# Altium PCB Quark - 副本.PcbDoc (continued)
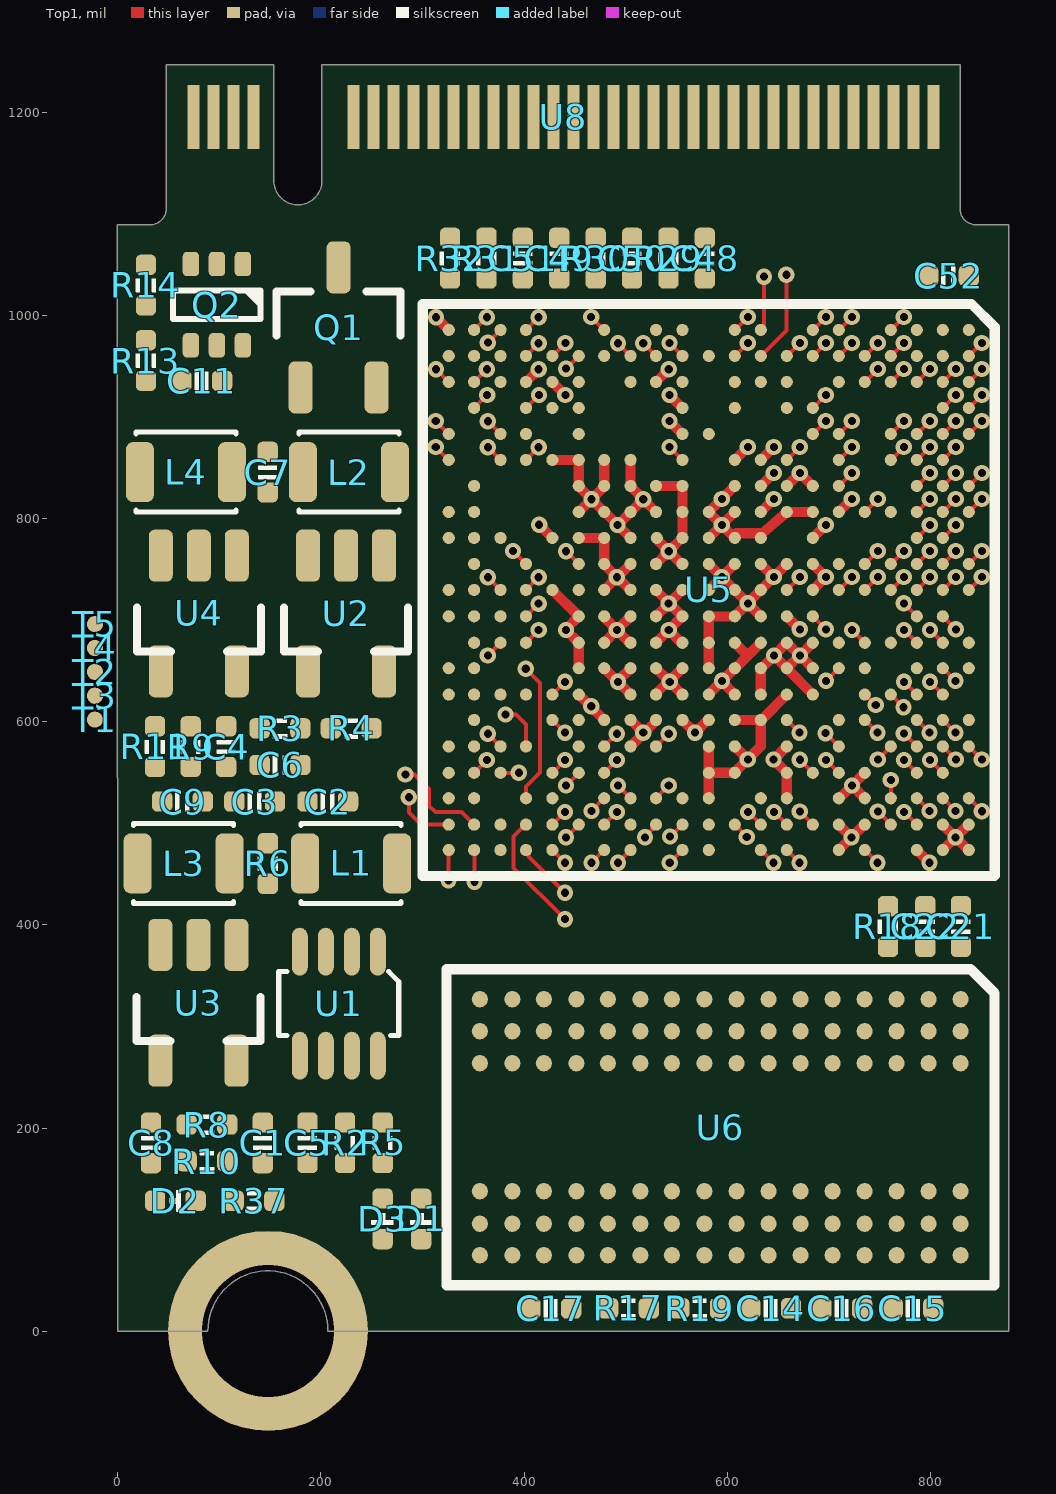
[diagram p0: Top1 view]
## Footprints (in the part's own frame and the unit in brackets; to place one, negate y for a bottom-side part, rotate by r counter-clockwise, add the part's x,y. Pads: shape width x height; smd on the part's side, far side on the other; paste and mask are expansions set on the pad) (continued)
  silkscreen extent -281,-281 281,281, body extent -276,-276 276,276, height 54
IND_0402 [mil]
  rrect50% 20x20 smd: 1(-20,0) 2(20,0)
  silkscreen extent -7,-9 7,9, body extent -20,-10 20,10, height 20
LED_0402_BLUE [mil]
  rrect50% 20x20 smd: 1(-20,0) 2(20,0)
  silkscreen extent -6,-10 6,10, body extent -20,-10 20,10, height 18
LED_0402_G [mil]
  rrect50% 20x20 smd: 1(-20,0) 2(20,0)
  silkscreen extent -6,-10 6,10, body extent -20,-10 20,10, height 18
LED_0402_RED [mil]
  rrect50% 20x20 smd: 1(-20,0) 2(20,0)
  silkscreen extent -6,-10 6,10, body extent -20,-10 20,10, height 18
M.2 [mm]
  rect 0.3x1.6 smd: 1(-3.75,0.003) 3(-3.25,0.003) 5(-2.75,0.003) 7(-2.25,0.003) 17(0.25,0) 19(0.75,0) 21(1.25,0) 23(1.75,0) 25(2.25,0) 27(2.75,0) 29(3.25,0) 31(3.75,0) 33(4.25,0) 35(4.75,0) 37(5.25,0) 39(5.75,0) 41(6.25,0) 43(6.75,0) 45(7.25,0) 47(7.75,0) 49(8.25,0) 51(8.75,0) 53(9.25,0) 55(9.75,0) 57(10.25,0) 59(10.75,0) 61(11.25,0) 63(11.75,0) 65(12.25,0) 67(12.75,0) 69(13.25,0) 71(13.75,0) 73(14.25,0) 75(14.75,0)
  rect 0.3x1.6 smd far side: 2(-3.5,0) 4(-3,0) 6(-2.5,0) 16(0,0) 18(0.5,0) 20(1,0) 22(1.5,0) 24(2,0) 26(2.5,0) 28(3,0) 30(3.5,0) 32(4,0) 34(4.5,0) 36(5,0) 38(5.5,0) 40(6,0) 42(6.5,0) 44(7,0) 46(7.5,0) 48(8,0) 50(8.5,0) 52(9,0) 54(9.5,0) 56(10,0) 58(10.5,0) 60(11,0) 62(11.5,0) 64(12,0) 66(12.5,0) 68(13,0) 70(13.5,0) 72(14,0) 74(14.5,0)
RES_0402 [mil]
  rrect50% 20x20 smd: 1(-20,0) 2(20,0)
  silkscreen extent -7,-10 7,10, body extent -20,-10 20,10, height 14
SOT23-3 [mm] "SOT23, 3-Leads, Body 3.1x3.0mm (max), Pitch 0.95mm, IPC Medium Density"
  rrect50% 1.3x0.6 smd: 1(-1.5,0.95) 2(-1.5,-0.95) 3(1.5,0)
  silkscreen extent -0.2,-1.55 0.9,1.55, body extent -1.3,-1.45 1.5,1.45, height 1.2
SOT23-5 [mm] "SOT23, 3-Leads, Body 3.1x3.0mm (max), Pitch 0.95mm, IPC Medium Density"
  rrect50% 1.3x0.6 smd: 1(-1.5,0.95) 2(-1.5,0) 3(-1.5,-0.95) 4(1.396,-0.95) 5(1.396,0.95)
  silkscreen extent -0.2,-1.55 0.9,1.55, body extent -1.48,-1.45 1.32,1.45, height 1.2
SOT23-8 [mm]
  oval 0.4x1.2 smd: 1(-0.975,-1.3) 2(-0.325,-1.3) 3(0.325,-1.3) 4(0.975,-1.3) 5(0.975,1.3) 6(0.325,1.3) 7(-0.325,1.3) 8(-0.975,1.3)
  silkscreen extent -1.5,-0.8 1.5,0.8, body extent -1.44,-1.43 1.5,1.37, height 1.2
SOT363-6 [mil]
  rrect50% 24x16 smd: 1(-40,25.59) 2(-40,0) 3(-40,-25.59) 4(40,-25.59) 5(40,0) 6(40,25.59)
  silkscreen extent -14,-43 14,43, body extent -41,-39 41,39, height 37
TEST_PT [mil]
  rrect100% 16x16 smd: 0(0,0.01)
晶振2520 [mm]
  rrect50% 0.8x0.6 smd: 1(-0.81,-0.625) 2(0.81,-0.625) 3(0.81,0.625) 4(-0.81,0.625)
  silkscreen extent -1.4,-1.1 1.4,1.1, body extent -1.3,-1.05 1.3,1.05, height 0.55

## Part data
C1 C2 C3 C4 C5 C6 C7 C8 C9 C10 C11 C12 C13 C14 C15 C16 C17 C18 C19 C20 C21 C22 C23 C24 C25 C26 C27 C28 C29 C30 C31 C32 C33 C34 C35 C36 C37 C38 C39 C40 C41 C42 C43 C44 C45 C46 C47 C48 C49 C50 C51 C52 C53 C54 C55 C56 C57 C58 C59 C60: library part 电容-0402, "Capacitor"
D1 D2 D3: library part LED_0402, "LED", Type=0402
L1 L2 L3 L4: library part 电感-2520, "磁珠"
L5 L6: library part Ind_0402, "Inductor", Specification="±5% 100mA", Type=0402
Q1: "MOSFET", LatestRevisionDate=17-Jul-2002, LatestRevisionNote="Re-released for DXP Platform.", PackageDescription="TO, Flat Index; 3 In-Line, Axial Leads; Body Dia. 4.6mm; Lead Dia. 0.5 mm (max)", PackageReference=E3, PackageVersion=1995/1996, Published=8-Jun-2000, Publisher="Altium Limited"
Q2: "Transistor"
R1 R2 R3 R4 R5 R6 R7 R8 R9 R10 R11 R12 R13 R14 R15 R16 R17 R18 R19 R20 R21 R22 R23 R24 R25 R26 R27 R28 R29 R30 R31 R32 R33 R34 R35 R36 R37 R38: library part 电阻-0402, "Resistor"
U1 U2 U3 U4: "LDO"
U6: library part K4B8G1646Q-MYK0(FBGA-96_512MX16_DDR3-1600)
U7: library part EMMC, "8GB三星EMMC芯片"
Y1: library part 晶振-4Pin-无源, "2520无源", Package="SMD-6 ECS International", Availability=Unavailable, MF="ECS International", MP=ECS-3225S30-240-EN-TR, Price="0.75 USD"
U5: ?=?

## Free pads (board coordinates)
  round 196.85 hole 129.92: 0(148.05,0.4)

## Via types
v1: diameter 16, hole 8, Top1 to Bottom6, tented both sides, 193 vias

## Nets (pads, with @x,y where several pads share a name; then routed paths per layer and width w, separated by ;. In a path a pad name is that pad's centre, name@x,y a point inside that pad or via, vN(x,y) a via of type N, cw(c..) or ccw(c..) an arc to the next point about the centre after c; other vN are vias at no path point)
AGND: C12.1 C43.2 C44.1 C45.1 C46.1 R12.1 R25.1 U5.U3 U8.25 | length 18.1
  Top1 w10: U5.U3 v1(440.66,921.58)
AP-RESET#: C47.2 R21.1 U5.V6 U8.16 | length 17.7
  Top1 w4: U5.V6 v1(414.37,870.1)
CAM_D0: U5.C9 | length 18.1
  Top1 w4: U5.C9 v1(799.39,793.63)
CAM_D1: U5.E10 | length 18.1
  Top1 w4: U5.E10 v1(748.21,768.04)
CAM_D2: U5.D10 | length 18.1
  Top1 w4: U5.D10 v1(773.8,768.04)
CAM_D3: U5.C8 | length 18.1
  Top1 w4: U5.C8 v1(799.39,819.22)
CAM_D4: U5.C11 | length 18.1
  Top1 w4: U5.C11 v1(799.39,742.45)
CAM_D5: U5.C12 | length 18.1
  Top1 w4: v1(773.79,716.45) U5.C12
CAM_D6: U5.E8 | length 18.1
  Top1 w4: U5.E8 v1(748.21,819.22)
CAM_D7: U5.A11 | length 18.1
  Top1 w4: U5.A11 v1(850.57,742.45)
CAM_HSYNC: U5.B11 | length 18.1
  Top1 w4: U5.B11 v1(824.98,742.45)
CAM_MCLK: U5.A10 | length 18.1
  Top1 w4: U5.A10 v1(850.57,768.04)
CAM_PCLK: U5.B10 | length 18.1
  Top1 w4: U5.B10 v1(824.98,768.04)
CAM_VSYNC: U5.C10 | length 18.1
  Top1 w4: U5.C10 v1(799.39,768.04)
EMMC-CLK: U5.A17 U7.M6 | length 18.1
  Top1 w4: U5.A17 v1(850.57,562.85)
EMMC-CMD: U5.E16 U7.M5 | length 17.7
  Top1 w4: U5.E16 v1(747.91,589.15)
EMMC-D0: U5.B18 U7.A3 | length 17.7
  Top1 w4: v1(799.68,562.15) U5.B18
EMMC-D1: U5.C17 U7.A4 | length 18.1
  Top1 w4: v1(773.79,588.45) U5.C17
EMMC-D2: U5.D17 U7.A5 | length 18.1
  Top1 w4: v1(748.2,562.85) U5.D17
EMMC-D3: U5.C18 U7.B2 | length 17.7
  Top1 w4: v1(774.09,562.15) U5.C18
EMMC-D4: U5.B17 U7.B3 | length 18.1
  Top1 w4: U5.B17 v1(824.98,562.85)
EMMC-D5: U5.B19 U7.B4 | length 17.7
  Top1 w4: U5.B19 v1(824.68,512.15)
EMMC-D6: U5.F17 U7.B5 | length 18.4
  Top1 w4: v1(696.82,588.65) U5.F17
EMMC-D7: U5.C19 U7.B6 | length 17.7
  Top1 w4: U5.C19 v1(799.09,512.15)
EMMC-RSTN: R35.2 U5.H16 U7.K5 | length 17.7
  Top1 w4: U5.H16 v1(671.14,589.15)
EPHY-LINK-LED: C52.2 U5.A2 | length 18.1
  Top1 w4: U5.A2 v1(850.57,972.76)
EPHY-RXN: U5.A4 U8.73 | length 18.1
  Top1 w4: U5.A4 v1(850.57,921.58)
EPHY-RXP: U5.B4 U8.75 | length 18.1
  Top1 w4: U5.B4 v1(824.98,921.58)
EPHY-SPD-LED: C53.2 U5.F7 | length 18.1
  Top1 w4: U5.F7 v1(722.61,844.81)
EPHY-TXN: U5.A3 U8.71 | length 18.1
  Top1 w4: U5.A3 v1(850.57,947.17)
EPHY-TXP: U5.B3 U8.69 | length 18.1
  Top1 w4: U5.B3 v1(824.98,947.17)
GND: C1.1 C2.1 C3.1 C4.1 C6.1 C7.1 C8.1 C9.1 C10.1 C11.1 C13.1 C14.1 C15.1 C16.1 C17.1 C18.1 C19.1 C20.1 C21.1 C22.1 C24.1 C25.1 C26.1 C27.1 C28.1 C29.1 C30.1 C31.2 C32.1 C33.2 C34.1 C35.1 C36.1 C37.2 C38.1 C39.1 C40.1 C41.1 C42.1 C47.1 C48.2 C52.1 C53.1 C54.1 C55.1 C56.1 C57.2 C58.2 C59.1 C60.1 D1.2 D2.2 D3.2 R4.1 R5.1 R10.1 R11.1 R12.2 R13.1 R14.2 R15.2 R16.2 R19.1 R20.2 R32.1 R33.1 R35.1 T1.0 U1.4 U1.6 U2.2 U3.2 U4.2 U5.A20 U5.A21 U5.AA1 U5.B20 U5.B21 U5.C21 U5.E18 U5.E19 U5.E20 U5.F19 U5.F20 U5.F21 U5.G8 U5.H8 U5.H12 U5.H15 U5.H17 U5.H18 U5.H19 U5.J9 U5.J13 U5.J16 U5.K7 U5.K8 U5.K9 U5.K13 U5.K14 U5.K15 U5.K16 U5.K17 U5.K18 U5.L8 U5.L9 U5.L15 U5.L17 U5.L18 U5.L19 U5.M5 U5.M7 U5.M8 U5.M9 U5.M10 U5.M11 U5.M12 U5.M13 U5.M14 U5.M15 U5.N7 U5.N9 U5.N10 U5.N11 U5.N12 U5.N13 U5.N14 U5.N15 U5.P10 U5.P11 U5.P12 U5.P13 U5.P14 U5.P15 U5.R9 U5.R10 U5.R11 U5.R12 U5.R13 U5.R14 U5.T9 U5.T11 U6.A9 U6.B1 U6.B3 U6.B9 U6.D1 U6.D8 U6.E1 U6.E2 U6.E8 U6.F9 U6.G1 U6.G8 U6.G9 U6.J2 U6.J8 U6.M1 U6.M9 U6.P1 U6.P9 U6.T1 U6.T9 U7.A6 U7.C4 U7.E7 U7.G5 U7.H10 U7.J5 U7.K8 U7.N2 U7.N5 U7.P4 U7.P6 U8.27 U8.29 U8.31 U8.33 U8.35 U8.37 U8.39 U8.41 U8.43 U8.45 U8.47 Y1.2 Y1.4 | length 1438.1
  Top1 w10: v1(313.37,998.06) U5.AA1 ; U5.T9 U5.R9 U5.R10 478.87,754.7 U5.R10@479.87,753.7 ; U5.R13 v1(491.37,690.15) ; U5.R12 478.87,703.11 479.87,702.11 479.87,701.65 v1(491.37,690.15) ; U5.R11 v1(491.37,742.15) ; U5.R14@479.87,651.65 v1(492.37,639.15) U5.P15 ; U5.R10@479.87,753.65 v1(491.37,742.15) ; v1@492.37,640.15 U5.P14 ; U5.P11@503.28,730.65 v1@491.78,742.15 ; U5.P11@503.32,730.65 504.32,729.65 U5.P11 ; U5.P13 504.32,677.65 503.32,678.65 502.87,678.65 v1(491.37,690.15) ; U5.P12 v1(491.37,690.15) ; U5.P10 v1@491.78,742.15 ; U5.N15 529.87,627.19 530.87,628.19 530.87,628.65 540.22,638 540.59,638 542.37,639.77 542.37,640.15 U5.N14 ; U5.N13 v1(542.37,690.15) ; U5.N12 v1@542.37,716.15 ; U5.N11 v1@542.66,716.85 ; U5.N10 v1(542.37,767.74) ; U5.N7 U5.M7 U5.M8 U5.M9 555.46,780.83 v1(542.37,767.74) ; U5.N9 530.69,780.29 531.69,779.29 531.69,778.42 v1(542.37,767.74) ; v1@542.87,716.65 U5.M12 v1(542.37,690.15) ; v1@543.07,716.85 U5.M11 ; v1(543.07,895.99) U5.M5 ; v1(543.37,639.15) U5.M15 ; v1@543.37,640.15 U5.M14 ; U5.M13 555.32,677.65 554.32,678.65 553.87,678.65 v1(542.37,690.15) ; U5.M10 555.32,755.24 554.32,756.24 553.87,756.24 v1(542.37,767.74) ; U5.L19 U5.L18 ; U5.L17 U5.L18 ; U5.L15 581.87,627.06 v1(594.96,640.15) ; U5.L9 v1(594.66,793.63) ; U5.K17 v1(620.25,562.85) ; U5.K16 U5.J16 ; U5.K15 594.96,639.15 v1(594.96,640.15) ; U5.K14 v1(594.96,640.15) ; U5.K13 619.7,665.41 619.7,664.3 ; U5.K8 v1(594.66,793.63) ; U5.K7 v1(594.66,819.22) U5.L8 v1(594.66,793.63) ; U5.K14@607.75,652.35 619.7,664.3 ; U5.J13 619.7,664.3 ; U5.H19 U5.H18 v1(645.64,562.65) U5.H17 ; U5.H15 634.02,602.03 633.43,602.03 U5.J16 ; U5.H12 v1(671.43,690.85) ; U5.G8 U5.H8 634.85,785.43 609.26,785.43 U5.K9 v1(594.66,793.63) ; U5.F21 v1(722.32,486.15) ; U5.F20 v1(722.32,486.15) ; U5.F19 710.36,524.65 U5.F19@711.36,525.65 ; U5.F19@711.41,525.65 v1(722.91,537.15) ; U5.E20@733.82,497.65 v1(722.32,486.15) ; U5.E20@733.87,497.65 734.87,498.65 U5.E20 ; U5.E19 v1(722.91,537.15) ; U5.E18 v1(722.91,537.15) ; U5.C21 v1(799.09,461.15) ; U5.B21 v1(824.68,486.15) ; U5.B20 v1(824.68,486.15) ; U5.A21@836.18,474.65 v1(824.68,486.15) ; U5.A20@836.18,497.65 v1(824.68,486.15) ; U5.A21@836.23,474.65 837.23,473.65 U5.A21 ; U5.A20@836.23,497.65 837.23,498.65 U5.A20 ; v1(491.37,742.15) v1@491.78,742.15 ; U5.L18 U5.K18 607.46,550.06 v1(620.25,562.85) ; v1(620.25,562.85) 633.05,575.65 U5.J16
  other v1: 542.3,716.22
GPIOA10/STATUS-LED: R36.1 U5.E11 | length 18.1
  Top1 w4: U5.E11 v1(748.21,742.45)
GPIOE14: U5.C6 | length 18.1
  Top1 w4: U5.C6 v1(799.39,870.4)
GPIOE15: U5.C5 | length 18.1
  Top1 w4: U5.C5 v1(799.39,895.99)
GPIOG11: R38.1 U5.D2 U8.49 | length 18.1
  Top1 w4: U5.D2 v1(773.8,972.76)
GPIOG12/USB0-OTGID: U5.D1 U8.63 | length 18.1
  Top1 w4: U5.D1 v1(773.8,998.35)
GPIOL3/K1: U5.R1 U8.18 | length 18.1
  Top1 w4: v1(466.07,998.35) U5.R1
GPIOL4/RECOVERY: R23.1 U5.N2 U8.20 | length 17.7
  Top1 w4: v1(517.37,972.46) U5.N2
GPIOL8/PWR-STB: R6.1 U1.8 U4.1 U5.T2 | length 17.7
  Top1 w4: v1(441.37,947.46) U5.T2
GPIOL9/PWR-DRAM: R1.1 U2.1 U5.M6 | length 18.1
  Top1 w4: v1(543.07,870.4) U5.M6
GPIOL10/PWR-LED: R37.1 U5.V2 | length 17.7
  Top1 w4: U5.V2 v1(414.37,972.46)
HCEC: U5.G5 | length 18.1
  Top1 w4: U5.G5 v1(697.02,895.99)
HHPD: U5.M2 | length 18.1
  Top1 w4: v1(543.07,972.76) U5.M2
HSCL: U5.H3
HSDA: U5.K3
HTX0_N: U5.F1 | length 18.1
  Top1 w4: U5.F1 v1(722.61,998.35)
HTX0_P: U5.G1 | length 18.1
  Top1 w4: U5.G1 v1(697.02,998.35)
HTX1_N: U5.G2 | length 18.1
  Top1 w4: U5.G2 v1(697.02,972.76)
HTX1_P: U5.H2 | length 18.1
  Top1 w4: U5.H2 v1(671.43,972.76)
HTX2_N: U5.J2 | length 90.3
  Top1 w4: U5.J2 658.2,985.12 v1(658.2,1039.8)
HTX2_P: U5.J1 | length 53.8
  Top1 w4: U5.J1 636.2,988.71 v1(636.2,1038)
HTXC_N: U5.E2 | length 18.1
  Top1 w4: U5.E2 v1(748.21,972.76)
HTXC_P: U5.F2 | length 18.1
  Top1 w4: U5.F2 v1(722.61,972.76)
I2C0_SCL: U5.F11 U8.60 | length 18.1
  Top1 w4: U5.F11 v1(722.61,742.45)
I2C0_SDA: U5.C13 U8.62 | length 17.7
  Top1 w4: v1(774.09,690.15) U5.C13
I2C1_SCL: U5.B13 U8.64 | length 17.7
  Top1 w4: v1(799.68,690.15) U5.B13
I2C1_SDA: U5.B14 U8.66 | length 17.7
  Top1 w4: U5.B14 v1(824.68,640.15)
I2C2_SCL: U5.B12 | length 18.1
  Top1 w4: U5.B12 v1(824.98,690.85)
I2C2_SDA: U5.C7 | length 18.1
  Top1 w4: U5.C7 v1(799.39,844.81)
IR-RX: R24.1 U5.U2 | length 18.1
  Top1 w4: U5.U2 v1(440.66,972.76)
KEYADC: R27.2 U5.AA5 U8.22 | length 18.1
  Top1 w4: v1(313.07,895.99) U5.AA5
LINEINL: U5.V1 | length 17.7
  Top1 w4: U5.V1 v1(414.37,998.06)
LINEINR: U5.W1 | length 17.7
  Top1 w4: v1(364.37,973.06) U5.W1
LINEOUTL: U5.AA3 U8.19 | length 17.7
  Top1 w4: v1(313.37,946.87) U5.AA3
LINEOUTR: U5.Y3 U8.17 | length 17.7
  Top1 w4: U5.Y3 v1(363.37,946.87)
MBIAS: C48.1 R29.2 U5.W3
MIC1N: C51.2 R31.2
MIC1P: C49.2 R30.1
MICIN1N: C51.1 U5.Y1 U8.21 | length 17.7
  Top1 w4: U5.Y1 v1(363.37,998.06)
MICIN1P: C49.1 U5.W2 U8.23
NetC5_1: C5.1 R2.1 R5.2 U1.7
NetC33_1: C33.1 U5.H11 | length 18.1
  Top1 w4: U5.H11 v1(671.43,742.45)
NetC43_1: C43.1 U5.Y4 | length 18.1
  Top1 w4: U5.Y4 v1(363.66,921.58)
NetC44_2: C44.2 R25.2 U5.W5 | length 17.7
  Top1 w4: v1(364.37,895.69) U5.W5
NetC45_2: C45.2 C46.2 U5.V4 | length 18.1
  Top1 w4: U5.V4 v1(414.66,921.58)
NetC50_1: C50.1 R31.1 R32.2
NetC50_2: C50.2 R29.1 R30.2
NetC57_1: C57.1 C58.1 R34.2 U7.C6 U7.M4 U7.N4 U7.P3 U7.P5
NetC59_2: C59.2 C60.2 U7.C2
NetD1_1: D1.1 R36.2
NetD2_1: D2.1 R37.2
NetD3_1: D3.1 R38.2
NetL1_1: L1.1 U1.3
NetL2_1: L2.1 U2.3
NetL3_1: L3.1 U3.3
NetL4_1: L4.1 U4.3
NetQ1_1: Q1.1 Q2.3 R14.1
NetQ2_2: Q2.2 Q2.5 Q2.6 R13.2
NetR3_2: R3.2 R4.2 U2.5
NetR8_2: R8.2 R10.2 U3.5
NetR9_1: R9.1 R11.2 U4.5
NetR15_1: R15.1 U6.L8
NetR16_1: R16.1 U6.L9
NetR20_1: R20.1 U5.V10 | length 18.1
  Top1 w4: v1(389.07,768.04) U5.V10
NetR28_2: R28.2 U5.AA6 | length 18.1
  Top1 w4: v1(313.07,870.4) U5.AA6
NetR33_2: R33.2 U5.F6 | length 18.1
  Top1 w4: U5.F6 v1(722.61,870.4)
SA0: U5.T17 U6.N3
SA1: U5.U18 U6.P7 | length 17.7
  Top1 w4: U5.U18 v1(440.37,562.15)
SA2: U5.V19 U6.P3 | length 139
  Top1 w4: v1(401.66,652.11) 415.66,638.11 415.66,550.1 401.87,536.31 U5.V19
SA3: U5.V20 U6.N2 | length 119.2
  Top1 w4: U5.V20 401.45,498.65 389.8,487 389.8,456.17 v1(440.37,405.6)
SA4: U5.V21 U6.P8 | length 58
  Top1 w4: U5.V21 401.87,471.49 404.58,468.77 404.58,467.39 v1(440.37,431.6)
SA5: U5.Y19 U6.P2
SA6: U5.Y20 U6.R8 | length 97.7
  Top1 w4: v1(283.2,548) 292.2,548 306.6,533.6 306.6,517.2 312.8,511 338.52,511 U5.Y20
SA7: U5.V15 U6.R2
SA8: U5.W18 U6.T8 | length 18
  Top1 w4: U5.W18 387.69,549.65 v1(394.87,549.65)
SA9: U5.Y18 U6.R3 | length 17.7
  Top1 w4: U5.Y18 v1(363.37,562.15)
SA10: U5.P19 U6.L7 | length 17.7
  Top1 w4: v1(492.37,537.15) U5.P19
SA11: U5.N19 U6.R7 | length 17.7
  Top1 w4: U5.N19 v1(542.37,537.15)
SA12: U5.R18 U6.N7 | length 17.7
  Top1 w4: U5.R18 v1(491.37,562.15)
SA13: U5.V12 U6.T3 | length 17.7
  Top1 w4: U5.V12 v1(414.37,716.15)
SA14: U5.N17 U6.T7 | length 17.7
  Top1 w4: U5.N17 v1(542.37,588.15)
SA15: U5.R17 U6.M7 | length 17.7
  Top1 w4: U5.R17 v1(491.37,588.15)
SBA0: U5.W17 U6.M2 | length 17.7
  Top1 w4: v1(364.37,588.15) U5.W17
SBA1: U5.T18 U6.N8 | length 17.7
  Top1 w4: v1(441.37,537.15) U5.T18
SBA2: U5.V17 U6.M3 | length 45.9
  Top1 w4: v1(381.64,607.11) 391.97,607.11 401.87,597.21 U5.V17
SCAS: U5.U15 U6.K3 | length 17.7
  Top1 w4: U5.U15 v1(440.37,639.15)
SCK_N: R18.1 U5.AA20 U6.K7 | length 59.1
  Top1 w4: v1(286.6,525.6) 286.6,510.8 298.75,498.65 U5.AA20
SCK_P: R18.2 U5.AA19 U6.J7
SCKE0: U5.AA21 U6.K9 | length 30
  Top1 w4: v1(325.6,443.8) 325.6,473.38 U5.AA21
SCKE1: U5.Y21 U6.J9 | length 31.4
  Top1 w4: U5.Y21 351.2,473.32 v1(351.2,442.4)
SCS0: U5.W20 U6.L2
SCS1: U5.W21 U6.L1
SDC0-CLK: U5.D20 U8.50 | length 18.1
  Top1 w4: v1(748.2,511.45) U5.D20
SDC0-CMD: U5.F18 U8.48 | length 17.7
  Top1 w4: v1(697.32,562.15) U5.F18
SDC0-D0: U5.A19 U8.58 | length 18.1
  Top1 w4: U5.A19 v1(850.57,511.85)
SDC0-D1: U5.D19 U8.56 | length 18
  Top1 w4: U5.D19 761,535.48 v1(761,542.65)
SDC0-D2: U5.C20 U8.54 | length 17.7
  Top1 w4: v1(774.09,511.15) U5.C20
SDC0-D3: U5.E21 U8.52 | length 17.7
  Top1 w4: U5.E21 v1(747.91,461.15)
SDC0-DET: U5.G18 U8.46 | length 18.1
  Top1 w4: v1(671.43,562.45) U5.G18
SDQ0: U5.N20 U6.F8 | length 17
  Top1 w4: v1(518.97,486.15) 518.97,486.95 529.87,497.85 U5.N20
SDQ1: U5.P21 U6.F2 | length 17.7
  Top1 w4: v1(492.37,461.15) U5.P21
SDQ2: U5.P20 U6.F7
SDQ3: U5.U21 U6.G2 | length 17.7
  Top1 w4: U5.U21 v1(440.37,461.15)
SDQ4: U5.R19 U6.E3 | length 17.7
  Top1 w4: v1(466.37,512.15) U5.R19
SDQ5: U5.T20 U6.H7 | length 17.7
  Top1 w4: v1(441.37,486.15) U5.T20
SDQ6: U5.U19 U6.H8
SDQ7: U5.U20 U6.H3 | length 17.7
  Top1 w4: U5.U20 v1(440.37,511.15)
SDQ8: U5.J19 U6.A7
SDQ9: U5.H20 U6.A3 | length 17.7
  Top1 w4: v1(646.14,511.15) U5.H20
SDQ10: U5.H21 U6.C8 | length 17.7
  Top1 w4: U5.H21 v1(671.14,461.15)
SDQ11: U5.J21 U6.C2 | length 17.7
  Top1 w4: U5.J21 v1(645.55,461.15)
SDQ12: U5.L20 U6.A2
SDQ13: U5.L21 U6.D7
SDQ14: U5.M21 U6.C3 | length 17.7
  Top1 w4: v1(543.37,461.15) U5.M21
SDQ15: U5.M19 U6.B8
SDQM0: U5.M20 U6.E7 | length 17.1
  Top1 w4: v1(543.57,486.95) 544.17,486.95 U5.M20
SDQM1: U5.G20 U6.D3 | length 18.1
  Top1 w4: v1(671.43,511.45) U5.G20
SDQS0_N: U5.R21 U6.G3 | length 17.7
  Top1 w4: v1(466.37,461.15) U5.R21
SDQS0_P: U5.R20 U6.F3 | length 17.7
  Top1 w4: U5.R20 v1(491.37,511.15)
SDQS1_N: U5.J20 U6.B7 | length 17.7
  Top1 w4: v1(620.55,511.15) U5.J20
SDQS1_P: U5.K20 U6.C7 | length 17.1
  Top1 w4: U5.K20 619.16,486.95 v1(619.16,486.35)
SODT0: U5.W11 U6.K1 | length 17.7
  Top1 w4: v1(364.37,742.15) U5.W11
SODT1: U5.V11 U6.J1 | length 17.7
  Top1 w4: U5.V11 v1(414.37,742.15)
SPI0_CLK: U5.B16 U8.72 | length 17.7
  Top1 w4: U5.B16 v1(824.68,589.15)
SPI0_CS: U5.B15 U8.74 | length 17.7
  Top1 w4: v1(799.68,639.15) U5.B15
SPI0_MISO: U5.C16 U8.68 | length 17.7
  Top1 w4: U5.C16 v1(799.09,589.15)
SPI0_MOSI: U5.C15 U8.70 | length 17.7
  Top1 w4: v1(774.09,639.15) U5.C15
SRAS: U5.V13 U6.J3 | length 17.7
  Top1 w4: U5.V13 v1(414.37,690.15)
SRST: U5.U16 U6.T2 | length 17.7
  Top1 w4: U5.U16 v1(440.37,589.15)
SVREF: C21.2 C22.2 C23.1 C24.2 R17.1 R19.2 U5.T16 U6.H1 U6.M8
SWE: U5.W13 U6.L3 | length 17.7
  Top1 w4: v1(364.37,665.15) U5.W13
UART0_RX: U5.H6 U8.42 | length 18.1
  Top1 w4: U5.H6 v1(671.43,870.4)
UART0_TX: U5.F5 U8.44 | length 18.1
  Top1 w4: U5.F5 v1(722.61,895.99)
UART1_CTS: U5.E3 | length 18.1
  Top1 w4: U5.E3 v1(748.21,947.17)
UART1_RTS: U5.C3 | length 18.1
  Top1 w4: U5.C3 v1(799.39,947.17)
UART1_RX: U5.D3 U8.38 | length 18.1
  Top1 w4: U5.D3 v1(773.8,947.17)
UART1_TX: U5.G4 U8.40 | length 18.1
  Top1 w4: U5.G4 v1(697.02,921.58)
UART2_CTS: U5.E13 | length 17.7
  Top1 w4: v1(722.91,690.15) U5.E13
UART2_RTS: U5.D6 | length 18.1
  Top1 w4: U5.D6 v1(773.8,870.4)
UART2_RX: U5.D5 U8.34 | length 18.1
  Top1 w4: U5.D5 v1(773.8,895.99)
UART2_TX: U5.D11 U8.36 | length 18.1
  Top1 w4: U5.D11 v1(773.8,742.45)
UART3_CTS: U5.D15 U8.26 | length 17.7
  Top1 w4: U5.D15 v1(773.5,614.15)
UART3_RTS: U5.F14 U8.30 | length 17.7
  Top1 w4: v1(697.32,640.15) U5.F14
UART3_RX: U5.G12 U8.32 | length 18.1
  Top1 w4: U5.G12 v1(697.02,690.85)
UART3_TX: U5.E15 U8.28 | length 17.7
  Top1 w4: U5.E15 v1@747.91,614.15
  other v1: 746.11,616.35
UBOOT: R22.1 U5.W6 U8.24 | length 17.7
  Top1 w4: v1(364.37,870.1) U5.W6
USB0-DRVVBUS: U5.P2 | length 17.7
  Top1 w4: v1(492.37,972.46) U5.P2
USB-DM0: U5.B5 U8.65 | length 18.1
  Top1 w4: U5.B5 v1(824.98,895.99)
USB-DM1: U5.B7 U8.59 | length 18.1
  Top1 w4: U5.B7 v1(824.98,844.81)
USB-DM2: U5.A8 U8.55 | length 18.1
  Top1 w4: U5.A8 v1(850.57,819.22)
USB-DM3: U5.B9 U8.51 | length 18.1
  Top1 w4: U5.B9 v1(824.98,793.63)
USB-DP0: U5.A5 U8.67 | length 18.1
  Top1 w4: U5.A5 v1(850.57,895.99)
USB-DP1: U5.B6 U8.61 | length 18.1
  Top1 w4: U5.B6 v1(824.98,870.4)
USB-DP2: U5.A7 U8.57 | length 18.1
  Top1 w4: U5.A7 v1(850.57,844.81)
USB-DP3: U5.B8 U8.53 | length 18.1
  Top1 w4: U5.B8 v1(824.98,819.22)
VCC-DRAM: C13.2 C14.2 C15.2 C16.2 C17.2 C18.2 C19.2 C20.2 C23.2 L2.2 R3.1 R17.2 T3.0 U5.L16 U5.M16 U5.N16 U5.P16 U5.P17 U5.R16 U5.T12 U5.T13 U5.T14 U5.T15 U5.U11 U6.A1 U6.A8 U6.B2 U6.C1 U6.C9 U6.D2 U6.D9 U6.E9 U6.F1 U6.G7 U6.H2 U6.H9 U6.K2 U6.K8 U6.N1 U6.N9 U6.R1 U6.R9 | length 224.9
  Top1 w10: U5.U11 U5.T12 441.37,691.15 v1(441.37,690.15) U5.T13 U5.T14 ; U5.T15 U5.R16 ; U5.P17 v1@517.37,588.15 ; U5.P16 v1(517.37,589.15) v1@517.37,588.15 ; U5.N16 529.87,601.11 528.87,600.11 528.87,599.65 v1@517.37,588.15 ; U5.M16 v1(568.37,589.15) 579.87,600.65 580.32,600.65 581.32,601.65 U5.L16
  other v1: 466.17,615.15
VDD1V1-EPHY: C38.2 R7.2 U5.F8 | length 18.1
  Top1 w10: U5.F8 v1(722.61,819.22)
VDD1V2-SYS: C7.2 C34.2 C35.2 C36.2 L4.2 R7.1 R9.2 T2.0 U5.H10 U5.J10 U5.J11 U5.J12 U5.K10 U5.K11 U5.K12 U5.L10 U5.L11 U5.L12 U5.L13 U5.L14 | length 276
  Top1 w10: U5.L14 U5.L13 U5.L12 U5.K12 v1(620.25,716.45) ; U5.L11 v1(594.66,742.45) ; U5.L10 v1(594.66,742.45) ; U5.K10 v1(594.66,742.45) ; U5.J12 v1(620.25,716.45) ; U5.J10 v1(645.84,742.45) ; U5.H10 v1(645.84,742.45) ; v1(594.66,742.45) U5.K11 v1@620.25,716.86 ; v1(620.25,716.45) v1@620.25,716.85 ; v1@620.25,716.85 U5.J11 v1(645.84,742.45)
VDD-CPUS: C29.2 C30.2 U5.J7 U5.J8 U5.M4 | length 54.3
  Top1 w10: v1(543.07,921.58) U5.M4 ; U5.J8 v1(645.84,819.22) ; U5.J7 v1(645.84,844.81)
VDD-CPUX: C2.2 C3.2 C39.2 C40.2 C41.2 L1.2 R26.2 T4.0 U1.5 U5.N8 U5.P6 U5.P7 U5.P8 U5.P9 U5.R6 U5.R7 U5.R8 U5.T6 U5.T7 U5.T8 U5.U6 U5.U9 | length 301.4
  Top1 w10: v1(414.87,793.83) U5.U9 ; U5.U6 U5.T6 U5.T7 453.87,831.42 v1(466.37,818.92) ; U5.T8 v1(466.37,818.92) ; U5.R7@477.87,830.42 v1(466.37,818.92) ; U5.R7@477.87,830.47 478.87,831.47 U5.R7 U5.R6 ; U5.P9 v1(492.07,793.63) ; U5.P6 U5.P7 504.87,831.47 U5.P7@505.87,830.47 ; U5.P7@505.87,830.42 v1(517.37,818.92) ; U5.N8 v1(517.37,818.92) ; v1(466.37,818.92) U5.R8 479.28,806.42 v1(492.07,793.63) ; v1(492.07,793.63) U5.P8 v1(517.37,818.92)
VDD_5V: C1.2 C4.2 C8.2 C11.2 Q1.2 Q2.4 U1.2 U2.4 U3.1 U3.4 U8.1 U8.3
VDD_AV_3.3V: C10.2 C12.2 C37.1 C42.2 L5.2 R21.2 R22.2 R23.2 R24.2 R27.1 R28.1 U5.G9 U5.K6 U5.N3 U5.V3 | length 71.5
  Top1 w10: U5.V3 v1(414.37,946.87) ; U5.N3 v1(542.37,946.87) ; U5.K6 v1(620.25,870.4) ; U5.G9 v1(697.02,793.63)
VDD_AV_3V3: U8.6
VDD_CPUFB: C5.2 R2.2 R26.1 U5.T10 | length 17.7
  Top1 w4: v1(441.37,767.74) U5.T10
VDD_EMMC_3.3V: C54.2 C55.2 C56.2 L6.2 R34.1 U7.E6 U7.F5 U7.J10 U7.K9
VDD_SYS_3.3V: C6.2 C9.2 C25.2 C26.2 C27.2 C28.2 L3.2 L5.1 L6.1 R1.2 R6.2 R8.1 T5.0 U4.4 U5.G7 U5.G10 U5.G11 U5.G13 U5.G14 U5.G15 U5.H7 U5.H13 U5.H14 U5.J6 U5.J14 U5.J15 U8.2 U8.4 | length 276.7
  Top1 w10: U5.J15 U5.J14 ; U5.J6 v1(645.84,870.4) ; U5.J14@633.64,652.65 v1(646.14,665.15) ; U5.H14@658.43,652.45 U5.G15 ; U5.H7 v1(671.43,844.81) U5.G7 ; U5.G14 v1(671.73,665.15) U5.G13 ; U5.G11 v1(697.02,742.45) U5.G10 ; v1(646.14,665.15) U5.H13 671.14,665.15 U5.H14 v1(646.14,665.15)
VDD_USB_5V: Q1.3 Q2.1 U8.5 U8.7
XIN: C32.2 U5.K2 Y1.1 | length 18.1
  Top1 w4: U5.K2 v1(620.25,972.76)
XOUT: C31.1 U5.K1 Y1.3 | length 18.1
  Top1 w4: U5.K1 v1(620.25,998.35)
pads on no net: U1.1 U5.A1 U5.A13 U5.A14 U5.A16 U5.AA2 U5.AA8 U5.AA9 U5.AA11 U5.AA12 U5.AA14 U5.AA15 U5.AA17 U5.AA18 U5.B1 U5.B2 U5.C1 U5.C2 U5.C14 U5.D8 U5.D13 U5.E14 U5.F3 U5.F10 U5.F13 U5.F16 U5.H4 U5.J3 U5.K4 U5.L2 U5.L5 U5.M1 U5.M3 U5.N1 U5.P3 U5.R2 U5.T3 U5.T4 U5.T5 U5.U4 U5.V5 U5.W9 U5.W12 U5.W15 U5.Y2 U5.Y7 U5.Y8 U5.Y9 U5.Y10 U5.Y11 U5.Y12 U5.Y13 U5.Y14 U5.Y15 U5.Y16 U5.Y17 U7.A1 U7.A2 U7.A7 U7.A8 U7.A9 U7.A10 U7.A11 U7.A12 U7.A13 U7.A14 U7.B1 U7.B7 U7.B8 U7.B9 U7.B10 U7.B11 U7.B12 U7.B13 U7.B14 U7.C1 U7.C3 U7.C5 U7.C7 U7.C8 U7.C9 U7.C10 U7.C11 U7.C12 U7.C13 U7.C14 U7.D1 U7.D2 U7.D3 U7.D4 U7.D12 U7.D13 U7.D14 U7.E1 U7.E2 U7.E3 U7.E5 U7.E8 U7.E9 U7.E10 U7.E12 U7.E13 U7.E14 U7.F1 U7.F2 U7.F3 U7.F10 U7.F12 U7.F13 U7.F14 U7.G1 U7.G2 U7.G3 U7.G10 U7.G12 U7.G13 U7.G14 U7.H1 U7.H2 U7.H3 U7.H5 U7.H12 U7.H13 U7.H14 U7.J1 U7.J2 U7.J3 U7.J12 U7.J13 U7.J14 U7.K1 U7.K2 U7.K3 U7.K6 U7.K7 U7.K10 U7.K12 U7.K13 U7.K14 U7.L1 U7.L2 U7.L3 U7.L12 U7.L13 U7.L14 U7.M1 U7.M2 U7.M3 U7.M7 U7.M8 U7.M9 U7.M10 U7.M11 U7.M12 U7.M13 U7.M14 U7.N1 U7.N3 U7.N6 U7.N7 U7.N8 U7.N9 U7.N10 U7.N11 U7.N12 U7.N13 U7.N14 U7.P1 U7.P2 U7.P7 U7.P8 U7.P9 U7.P10 U7.P11 U7.P12 U7.P13 U7.P14

## Silkscreen, mask and mechanical layers (free items; w line width, h text height)
Mechanical 1:
  the board outline again, w0.5
Mechanical 4:
  circle w0.25: c0,0 r0.12
  circle w0.25: c876.85,0 r0.12
Mechanical 7:
  drawing of 2221 lines, arcs and shapes, not listed
Mechanical 13:
  drawing of 7373 lines, arcs and shapes, not listed